# Altium PCB CONTROLLER_BASE.PcbDoc (part 4 of 7)
Units mm, origin at the board's own origin, x right, y up, seen from the top; angles counter-clockwise.
Board outline 258 x 160 mm, 4 copper layers (Top Layer, Internal Plane 1, Internal Plane 2, Bottom Layer); 818 components, 410 nets, 2314 pads, 511 vias.
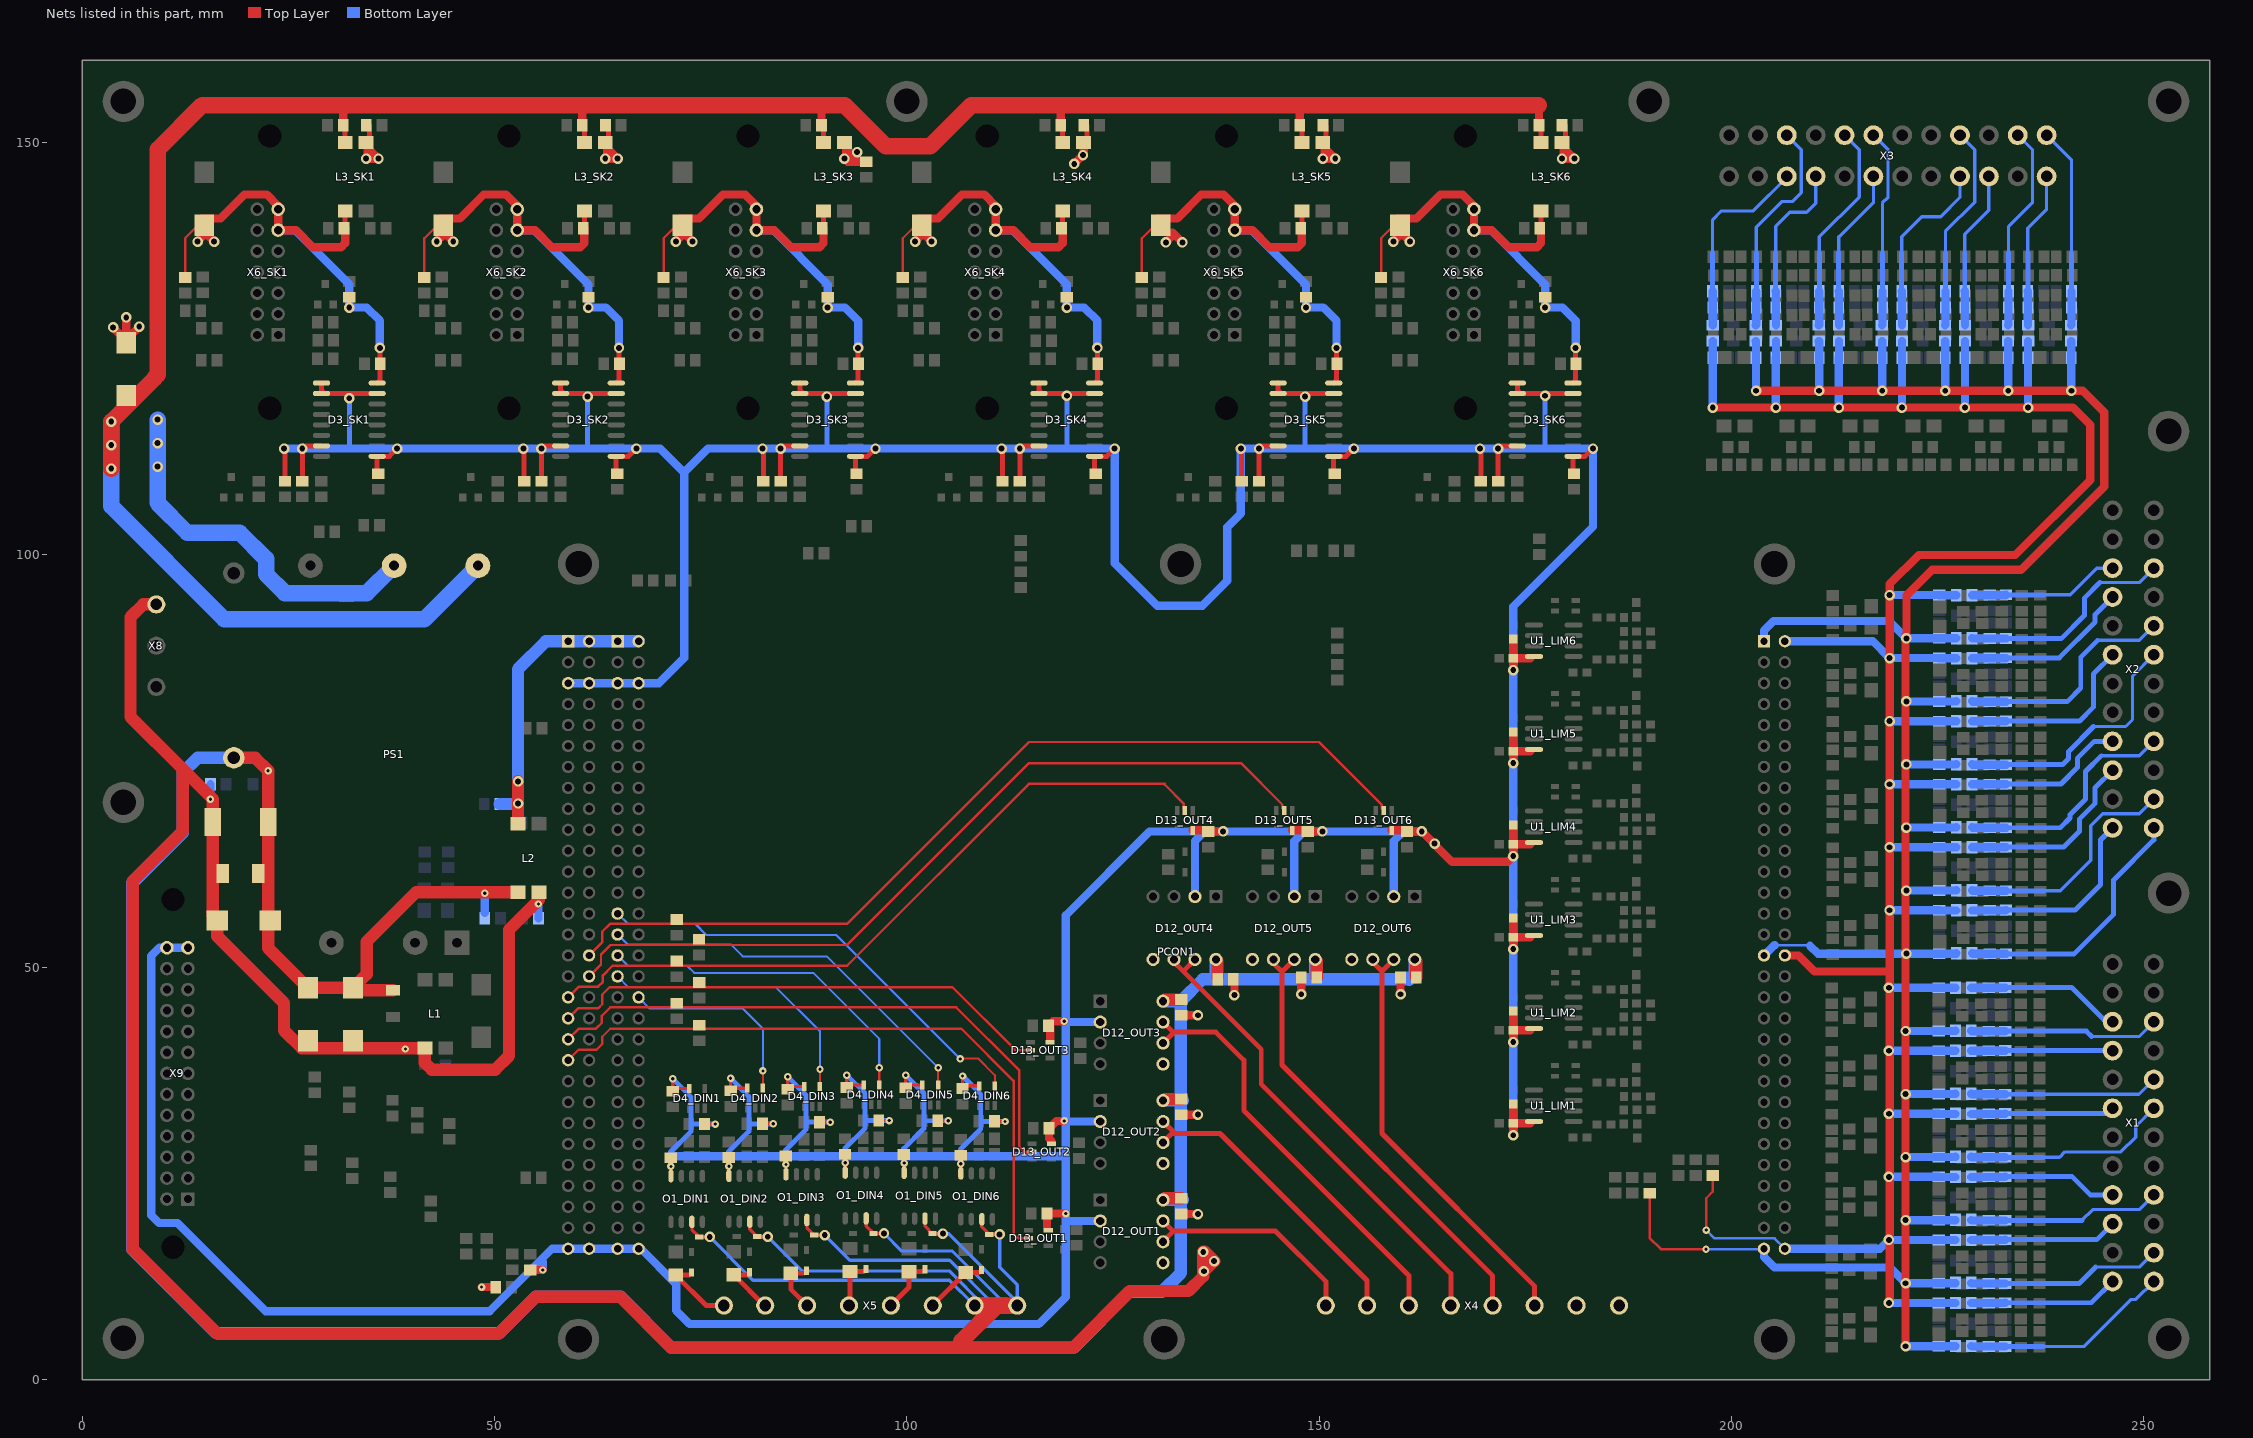
[diagram p6: the nets of this part, all layers, seen from the top]

## Via types
v1: diameter 1.27, hole 0.711, Top Layer to Bottom Layer, tented both sides, 414 vias
v2: diameter 0.9, hole 0.4, Top Layer to Bottom Layer, tented both sides, 95 vias
v3: diameter 0.9, hole 0.5, Top Layer to Bottom Layer, tented both sides, 2 vias

## Nets (pads, with @x,y where several pads share a name; then routed paths per layer and width w, separated by ;. In a path a pad name is that pad's centre, name@x,y a point inside that pad or via, vN(x,y) a via of type N, cw(c..) or ccw(c..) an arc to the next point about the centre after c; other vN are vias at no path point) (continued)
5V_DIN2: D4_DIN2.4 PCON1.P2_36 | length 23.9
  Top Layer w0.254: D4_DIN2.4@82.553,35.345 v2(82.553,37.437)
  Bottom Layer w0.254: PCON1.P2_36@67.47,46.354 68.841,44.983 80.137,44.983 82.553,42.567 v2(82.553,37.437)
5V_DIN3: D4_DIN3.4 PCON1.P2_33 | length 34
  Top Layer w0.254: D4_DIN3.4@89.469,35.541 v2(89.469,37.633)
  Bottom Layer w0.254: PCON1.P2_33@64.93,48.894 66.225,47.6 84.099,47.6 89.469,42.23 v2(89.469,37.633)
5V_DIN4: D4_DIN4.4 PCON1.P2_31 | length 41.5
  Top Layer w0.254: D4_DIN4.4@96.652,35.739 v2(96.652,37.825)
  Bottom Layer w0.254: PCON1.P2_31@64.93,51.434 66.199,50.165 73.381,50.165 74.219,49.327 88.646,49.327 96.652,41.321 v2(96.652,37.825)
5V_DIN5: D4_DIN5.4 PCON1.P2_29 | length 47.7
  Top Layer w0.254: D4_DIN5.4@103.795,35.719 v2(103.795,37.831)
  Bottom Layer w0.254: PCON1.P2_29@64.93,53.974 66.123,52.781 78.638,52.781 80.086,51.333 90.292,51.333 v2(103.795,37.831)
5V_DIN6: D4_DIN6.4 PCON1.P2_27 | length 55.2
  Top Layer w0.254: v2(106.477,38.887) 106.528,38.938 108.65,38.938 110.678,36.911 D4_DIN6.4@110.678,35.632
  Bottom Layer w0.254: PCON1.P2_27@64.93,56.514 66.199,55.245 74.371,55.245 75.692,53.924 91.44,53.924 v2(106.477,38.887)
5V_DOUT1: D13_OUT1.2 PCON1.P1_41 R20.1 | length 79.2
  Top Layer w0.3: PCON1.P1_41@58.93,38.734 60.201,40.005 62.357,40.005 63.068,40.716 63.068,41.58 64.033,42.545 106.629,42.545 112.954,36.22 112.954,17.755 113.538,17.17 D13_OUT1.2@114.751,17.17
5V_DOUT2: D13_OUT2.2 PCON1.P1_39 R19.1 | length 71
  Top Layer w0.3: PCON1.P1_39@58.93,41.274 60.227,42.57 62.306,42.57 63.017,43.282 63.017,44.12 64.033,45.136 105.994,45.136 113.64,37.49 113.64,28.194 114.173,27.661 D13_OUT2.2@115.157,27.661
5V_DOUT3: D13_OUT3.2 PCON1.P1_37 R18.1 | length 61.5
  Top Layer w0.3: PCON1.P1_37@58.93,43.814 60.176,45.06 62.611,45.06 63.068,45.517 63.068,46.685 63.983,47.6 105.512,47.6 113.157,39.954 D13_OUT3.2@114.98,39.954
5V_DOUT4: D13_OUT4.2 PCON1.P1_35 R17.1 | length 87.8
  Top Layer w0.3: PCON1.P1_35@58.93,46.354 60.227,47.65 62.56,47.65 63.144,48.235 63.144,49.022 64.313,50.19 92.761,50.19 114.808,72.238 131.267,72.238 131.267,72.163 133.57,69.86 133.57,69.162 D13_OUT4.2@133.72,69.012
5V_DOUT5: D13_OUT5.2 PCON1.P1_34 R16.1 | length 98.4
  Top Layer w0.3: PCON1.P1_34@61.47,48.894 62.916,50.339 62.916,51.537 64.084,52.705 92.761,52.705 114.808,74.752 140.501,74.752 145.524,69.73 145.524,69.258 D13_OUT5.2@145.77,69.012
5V_DOUT6: D13_OUT6.2 PCON1.P1_32 R15.1 | length 111.5
  Top Layer w0.3: PCON1.P1_32@61.47,51.434 63.043,53.006 63.043,54.305 64.008,55.27 92.761,55.27 114.808,77.318 149.986,77.318 157.574,69.73 157.574,69.258 D13_OUT6.2@157.82,69.012
5VIN_SK1: C24_SK1.2 C24_SK2.2 C24_SK3.2 C24_SK4.2 C24_SK5.2 C24_SK6.2 C28_SK1.2 C28_SK2.2 C28_SK3.2 C28_SK4.2 C28_SK5.2 C28_SK6.2 C40_OUT1.1 C40_OUT2.1 C40_OUT3.1 C40_OUT4.1 C40_OUT5.1 C40_OUT6.1 C42_LIM1.1 C42_LIM2.1 C42_LIM3.1 C42_LIM4.1 C42_LIM5.1 C42_LIM6.1 C47_DIN1.2 C47_DIN2.2 C47_DIN3.2 C47_DIN4.2 C47_DIN5.2 C47_DIN6.2 C49_DIN1.1 C49_DIN2.1 C49_DIN3.1 C49_DIN4.1 C49_DIN5.1 C49_DIN6.1 D3_SK1.1 D3_SK1.2 D3_SK1.7 D3_SK1.9 D3_SK1.15 D3_SK2.1 D3_SK2.2 D3_SK2.7 D3_SK2.9 D3_SK2.15 D3_SK3.1 D3_SK3.2 D3_SK3.7 D3_SK3.9 D3_SK3.15 D3_SK4.1 D3_SK4.2 D3_SK4.7 D3_SK4.9 D3_SK4.15 D3_SK5.1 D3_SK5.2 D3_SK5.7 D3_SK5.9 D3_SK5.15 D3_SK6.1 D3_SK6.2 D3_SK6.7 D3_SK6.9 D3_SK6.15 D4_DIN1.5 D4_DIN2.5 D4_DIN3.5 D4_DIN4.5 D4_DIN5.5 D4_DIN6.5 D12_OUT1.2 D12_OUT2.2 D12_OUT3.2 D12_OUT4.2 D12_OUT5.2 D12_OUT6.2 D13_OUT1.5 D13_OUT2.5 D13_OUT3.5 D13_OUT4.5 D13_OUT5.5 D13_OUT6.5 O1_DIN1.8 O1_DIN2.8 O1_DIN3.8 O1_DIN4.8 O1_DIN5.8 O1_DIN6.8 PCON1.P1_5 PCON1.P1_6 PCON1.P1_59 PCON1.P1_60 PCON1.P2_5 PCON1.P2_6 PCON1.P2_59 PCON1.P2_60 R37_SK1.1 R37_SK2.1 R37_SK3.1 R37_SK4.1 R37_SK5.1 R37_SK6.1 R48_LIM1.1 R48_LIM2.1 R48_LIM3.1 R48_LIM4.1 R48_LIM5.1 R48_LIM6.1 R57_DIN1.1 R57_DIN2.1 R57_DIN3.1 R57_DIN4.1 R57_DIN5.1 R57_DIN6.1 R59.2 R66.2 U1_LIM1.8 U1_LIM2.8 U1_LIM3.8 U1_LIM4.8 U1_LIM5.8 U1_LIM6.8 X9.25 X9.26 | length 1042.1
  Top Layer w0.4: O1_DIN1.8@71.399,24.682 v2(71.399,25.857) C49_DIN1.1@71.399,26.868 ; C47_DIN1.2@71.603,34.986 v2(71.603,36.5) ; C47_DIN1.2@71.929,35.312 D4_DIN1.5@73.624,35.312 ; R57_DIN1.1@75.474,30.993 75.479,30.988 v2(76.759,30.988) ; O1_DIN2.8@78.428,24.714 v2(78.428,25.89) C49_DIN2.1@78.428,26.901 ; C47_DIN2.2@78.631,35.019 v2(78.631,36.532) ; C47_DIN2.2@78.957,35.345 D4_DIN2.5@80.653,35.345 ; R57_DIN2.1@82.502,31.026 82.508,31.021 v2(83.787,31.021) ; O1_DIN3.8@85.344,24.91 v2(85.344,26.086) C49_DIN3.1@85.344,27.097 ; C47_DIN3.2@85.547,35.215 v2(85.547,36.728) ; C47_DIN3.2@85.873,35.541 D4_DIN3.5@87.569,35.541 ; R57_DIN3.1@89.418,31.222 89.424,31.217 v2(90.703,31.217) ; O1_DIN4.8@92.527,25.108 v2(92.527,26.284) C49_DIN4.1@92.527,27.295 ; C47_DIN4.2@92.73,35.412 v2(92.73,36.926) ; C47_DIN4.2@93.056,35.739 D4_DIN4.5@94.752,35.739 ; R57_DIN4.1@96.601,31.42 96.606,31.414 v2(97.886,31.414) ; O1_DIN5.8@99.67,25.088 v2(99.67,26.264) C49_DIN5.1@99.67,27.275 ; C47_DIN5.2@99.873,35.392 v2(99.873,36.906) ; C47_DIN5.2@100.199,35.719 D4_DIN5.5@101.895,35.719 ; R57_DIN5.1@103.744,31.4 103.749,31.394 v2(105.029,31.394) ; O1_DIN6.8@106.553,25.001 v2(106.553,26.177) C49_DIN6.1@106.553,27.188 ; C47_DIN6.2@106.756,35.305 v2(106.756,36.819) ; C47_DIN6.2@107.082,35.632 D4_DIN6.5@108.778,35.632 ; R57_DIN6.1@110.627,31.313 110.633,31.307 v2(111.912,31.307)
  Top Layer w0.6: R37_SK1.1@24.6,108.95 v1@24.6,112.8 ; C24_SK1.2@26.7,108.95 v1(26.7,112.9) ; v1@26.7,113.225 D3_SK1.7@29.025,113.225 ; D3_SK1.2@29.025,119.575 29.025,120 ; D3_SK1.1@29.025,120.845 29.025,120 ; D3_SK1.2@29.238,119.788 29.025,120 ; D3_SK1.2@29.45,119.575 D3_SK1.15@35.775,119.575 ; C28_SK1.2@35.75,109.5 D3_SK1.9@35.75,111.93 ; D3_SK1.9@35.775,111.955 37.255,111.955 v1(38.2,112.9) ; R37_SK2.1@53.6,108.95 v1@53.6,112.8 ; C24_SK2.2@55.7,108.95 v1(55.7,112.9) ; v1@55.7,113.225 D3_SK2.7@58.025,113.225 ; D3_SK2.2@58.025,119.575 58.025,120 ; D3_SK2.1@58.025,120.845 58.025,120 ; D3_SK2.2@58.238,119.788 58.025,120 ; D3_SK2.2@58.45,119.575 D3_SK2.15@64.775,119.575 ; C28_SK2.2@64.75,109.5 D3_SK2.9@64.75,111.93 ; D3_SK2.9@64.775,111.955 66.255,111.955 v1(67.2,112.9) ; R37_SK3.1@82.6,108.95 v1@82.6,112.8 ; C24_SK3.2@84.7,108.95 v1(84.7,112.9) ; v1@84.7,113.225 D3_SK3.7@87.025,113.225 ; D3_SK3.2@87.025,119.575 87.025,120 ; D3_SK3.1@87.025,120.845 87.025,120 ; D3_SK3.2@87.238,119.788 87.025,120 ; D3_SK3.2@87.45,119.575 D3_SK3.15@93.775,119.575 ; C28_SK3.2@93.75,109.5 D3_SK3.9@93.75,111.93 ; D3_SK3.9@93.775,111.955 95.255,111.955 v1(96.2,112.9) ; R37_SK4.1@111.6,108.95 v1@111.6,112.8 ; C24_SK4.2@113.7,108.95 v1(113.7,112.9) ; v1@113.7,113.225 D3_SK4.7@116.025,113.225 ; D3_SK4.2@116.025,119.575 116.025,120 ; D3_SK4.1@116.025,120.845 116.025,120 ; D3_SK4.2@116.238,119.788 116.025,120 ; D3_SK4.2@116.45,119.575 D3_SK4.15@122.775,119.575 ; C28_SK4.2@122.75,109.5 D3_SK4.9@122.75,111.93 ; D3_SK4.9@122.775,111.955 124.255,111.955 v1(125.2,112.9) ; R37_SK5.1@140.6,108.95 v1@140.6,112.8 ; C24_SK5.2@142.7,108.95 v1(142.7,112.9) ; v1@142.7,113.225 D3_SK5.7@145.025,113.225 ; D3_SK5.2@145.025,119.575 145.025,120 ; D3_SK5.1@145.025,120.845 145.025,120 ; D3_SK5.2@145.238,119.788 145.025,120 ; D3_SK5.2@145.45,119.575 D3_SK5.15@151.775,119.575 ; C28_SK5.2@151.75,109.5 D3_SK5.9@151.75,111.93 ; D3_SK5.9@151.775,111.955 153.255,111.955 v1(154.2,112.9) ; R37_SK6.1@169.6,108.95 v1@169.6,112.8 ; C24_SK6.2@171.7,108.95 v1(171.7,112.9) ; v1@171.7,113.225 D3_SK6.7@174.025,113.225 ; D3_SK6.2@174.025,119.575 174.025,120 ; D3_SK6.1@174.025,120.845 174.025,120 ; D3_SK6.2@174.238,119.788 174.025,120 ; D3_SK6.2@174.45,119.575 D3_SK6.15@180.775,119.575 ; C28_SK6.2@180.75,109.5 D3_SK6.9@180.75,111.93 ; D3_SK6.9@180.775,111.955 182.255,111.955 v1(183.2,112.9)
  Top Layer w1: v2(48.438,11.227) R66.2@50.155,11.227 ; R59.2@54.331,13.299 v2(55.844,13.299) ; 117.003,18.552 C40_OUT1.1@117.003,20.142 v2(119.278,20.142) ; 117.399,41.326 117.399,42.708 C40_OUT3.1@117.18,42.926 117.714,43.459 v2(119.075,43.459) ; 117.5,28.981 117.231,29.251 C40_OUT2.1@117.231,30.48 118.12,31.369 v2(119.101,31.369) ; D13_OUT4.5@134.67,66.612 C40_OUT4.1@136.52,66.612 ; C40_OUT4.1@136.551,66.472 v1(138.339,66.472) ; D13_OUT5.5@146.72,66.612 C40_OUT5.1@148.57,66.612 ; C40_OUT5.1@148.601,66.472 v1(150.389,66.472) ; D13_OUT6.5@158.77,66.612 C40_OUT6.1@160.62,66.612 ; C40_OUT6.1@160.651,66.472 v1(162.439,66.472) 166.122,62.789 172.843,62.789 v1(173.531,63.476) C42_LIM4.1@173.531,64.911 ; v1(173.531,29.644) C42_LIM1.1@173.531,31.078 ; R48_LIM1.1@173.531,33.391 C42_LIM1.1@173.531,31.078 ; v1(173.531,40.921) C42_LIM2.1@173.531,42.355 ; R48_LIM2.1@173.531,44.669 C42_LIM2.1@173.531,42.355 ; v1(173.531,52.199) C42_LIM3.1@173.531,53.633 ; R48_LIM3.1@173.531,55.946 C42_LIM3.1@173.531,53.633 ; R48_LIM4.1@173.531,67.224 C42_LIM4.1@173.531,64.911 ; v1(173.531,74.754) C42_LIM5.1@173.531,76.188 ; R48_LIM5.1@173.531,78.501 C42_LIM5.1@173.531,76.188 ; v1(173.531,86.032) C42_LIM6.1@173.531,87.466 ; R48_LIM6.1@173.531,89.779 C42_LIM6.1@173.531,87.466 ; U1_LIM1.8@175.602,31.078 C42_LIM1.1@173.531,31.078 ; U1_LIM2.8@175.602,42.355 C42_LIM2.1@173.531,42.355 ; U1_LIM3.8@175.602,53.633 C42_LIM3.1@173.531,53.633 ; U1_LIM4.8@175.602,64.911 C42_LIM4.1@173.531,64.911 ; U1_LIM5.8@175.602,76.188 C42_LIM5.1@173.531,76.188 ; U1_LIM6.8@175.602,87.466 C42_LIM6.1@173.531,87.466
  Bottom Layer w0.6: 32.4,113.1 v1(32.4,119) ; 61.3,113.3 v1(61.3,119.2) ; v2@71.349,25.908 71.349,27.61 73.812,30.074 73.812,30.988 ; v2(71.603,36.5) 73.812,34.29 73.812,30.988 ; v2(76.759,30.988) 73.812,30.988 ; v2@78.377,25.941 78.377,27.076 78.377,27.642 80.841,30.106 80.841,31.021 ; v2(78.631,36.532) 80.841,34.323 80.841,31.021 ; v2(83.787,31.021) 80.841,31.021 ; v2@85.293,26.137 85.293,27.076 85.293,27.838 87.757,30.302 87.757,31.217 ; v2(85.547,36.728) 87.757,34.519 87.757,31.217 ; 90.3,113.3 v1(90.3,119.2) ; v2(90.703,31.217) 87.757,31.217 ; v2@92.476,26.334 92.476,27.076 92.476,28.036 94.94,30.5 94.94,31.414 ; v2(92.73,36.926) 94.94,34.716 94.94,31.414 ; v2(97.886,31.414) 94.94,31.414 ; v2@99.619,26.314 99.619,27.076 99.619,28.016 102.083,30.48 102.083,31.394 ; v2(99.873,36.906) 102.083,34.696 102.083,31.394 ; v2(105.029,31.394) 102.083,31.394 ; v2@106.502,26.227 106.502,27.076 106.502,27.929 108.966,30.393 108.966,31.307 ; v2(106.756,36.819) 108.966,34.609 108.966,31.307 ; v2(111.912,31.307) 108.966,31.307 ; 119.4,113.4 v1(119.4,119.3) ; 148.3,113.3 v1(148.3,119.2) ; 177.4,113.4 v1(177.4,119.3)
  Bottom Layer w1: X9.25@12.827,52.375 X9.26@10.287,52.375 9.398,52.375 8.382,51.359 8.382,19.939 9.322,18.999 11.557,18.999 22.25,8.306 49.428,8.306 56.997,15.874 PCON1.P1_59@58.93,15.874 PCON1.P1_60@61.47,15.874 PCON1.P2_59@64.93,15.874 PCON1.P2_60@67.47,15.874 67.743,15.874 72.034,11.582 72.034,8.382 73.66,6.756 116.002,6.756 119.278,10.033 v2(119.278,20.142) 119.278,27.076 ; v1(24.5,112.9) v1(38.2,112.9) v1(53.5,112.9) v1(67.2,112.9) 70.1,112.9 73,110 ; v2(55.844,13.299) 55.844,14.26 ; PCON1.P1_5@58.93,84.454 PCON1.P1_6@61.47,84.454 PCON1.P2_5@64.93,84.454 PCON1.P2_6@67.47,84.454 69.954,84.454 73,87.5 73,110 ; 71.425,27.076 78.377,27.076 85.293,27.076 92.476,27.076 99.619,27.076 106.502,27.076 119.278,27.076 ; v2@119.299,43.353 D12_OUT3.2@123.444,43.353 ; v2@119.344,31.303 D12_OUT2.2@123.444,31.303 ; 119.355,19.253 D12_OUT1.2@123.444,19.253 ; D12_OUT4.2@134.94,58.572 134.94,65.309 136.104,66.472 ; D12_OUT5.2@146.99,58.572 146.99,65.309 148.154,66.472 ; D12_OUT6.2@159.04,58.572 159.04,65.309 160.204,66.472 ; v1(162.439,66.472) 160.204,66.472 ; v1(173.531,29.644) v1(173.531,40.921) v1(173.531,52.199) v1(173.531,63.476) v1(173.531,74.754) v1(173.531,86.032) 173.531,93.75 183.2,103.419 v1(183.2,112.9) v1(171.7,112.9) v1(142.7,112.9) v1(140.5,112.9) 140.5,105.016 138.862,103.378 138.862,96.876 135.839,93.853 130.353,93.853 125.2,99.006 v1(125.2,112.9) v1(113.7,112.9) v1(84.7,112.9) 75.9,112.9 73,110 ; 119.278,27.076 119.278,56.312 129.439,66.472 136.104,66.472 ; 136.104,66.472 v1(138.339,66.472) 148.154,66.472 ; 148.154,66.472 v1(150.389,66.472) 160.204,66.472
  other v1: 164,65 82.5,112.9 111.5,112.9 169.5,112.9
15V_DGND: C5.2 C11.1 C22_SK1.1 C22_SK2.1 C22_SK3.1 C22_SK4.1 C22_SK5.1 C22_SK6.1 L3_SK1.2 L3_SK2.2 L3_SK3.2 L3_SK4.2 L3_SK5.2 L3_SK6.2 PS1.5 | length 93.6
  Top Layer w0.6: v1(34.44,148.06) L3_SK1.2@34.44,150 ; L3_SK1.2@34.85,150.41 C22_SK1.1@34.85,152.1 ; v1(63.44,148.06) L3_SK2.2@63.44,150 ; L3_SK2.2@63.85,150.41 C22_SK2.1@63.85,152.1 ; v1(92.44,148.06) L3_SK3.2@92.44,150 ; v1(121.361,148.488) 121.361,149.801 121.44,149.88 121.5,149.94 L3_SK4.2@121.44,150 ; L3_SK4.2@121.85,150.41 C22_SK4.1@121.85,152.1 ; v1(150.44,148.06) L3_SK5.2@150.44,150 ; L3_SK5.2@150.85,150.41 C22_SK5.1@150.85,152.1 ; v1(179.44,148.06) L3_SK6.2@179.44,150 ; L3_SK6.2@179.85,150.41 C22_SK6.1@179.85,152.1
  Top Layer w1: v1(3.759,127.584) C5.2@5.359,125.984 ; C5.2@5.359,125.73 C5.2@5.359,125.984 ; v1(5.359,128.803) C5.2@5.359,126.111 ; v1(6.934,127.686) C5.2@5.359,126.111 ; v1(34.44,148.06) 34.5,148 36,148 35,149 ; v1@63.5,148 65,148 64,149 ; v1(92.44,148.06) 92.814,147.686 C22_SK3.1@95.072,147.686 ; v1@92.5,148 94,148 93,149 ; v1(120.294,147.422) v1(121.361,148.488) 121.44,148.567 121.44,149.88 L3_SK4.2@121.44,150 ; v1@150.5,148 152,148 151,149 ; v1@179.5,148 181,148 180,149 ; C5.2@5.359,125.984 C5.2@5.359,126.111
  Bottom Layer w2: v1(9.144,116.408) 9.144,106.299 12.751,102.692 19.126,102.692 22.301,99.517 22.301,97.663 24.587,95.377 34.517,95.377 PS1.5@37.84,98.7
  other v1: 9.144,110.708 9.144,113.558 35.94,148.06 64.94,148.06 151.94,148.06 180.94,148.06 93.98,148.844
15VIN_SK1: C5.1 C11.2 C20_SK1.2 C20_SK2.2 C20_SK3.2 C20_SK4.2 C20_SK5.2 C20_SK6.2 L3_SK1.1 L3_SK2.1 L3_SK3.1 L3_SK4.1 L3_SK5.1 L3_SK6.1 PS1.4 | length 337.5
  Top Layer w0.6: L3_SK1.1@31.9,150 C20_SK1.2@31.9,151.85 ; L3_SK2.1@60.9,150 C20_SK2.2@60.9,151.85 ; L3_SK3.1@89.9,150 C20_SK3.2@89.9,151.85 ; L3_SK4.1@118.9,150 C20_SK4.2@118.9,151.85 ; L3_SK5.1@147.9,150 C20_SK5.2@147.9,151.85 ; L3_SK6.1@176.9,150 C20_SK6.2@176.9,151.85
  Top Layer w1: C20_SK1.2@31.65,152.1 31.65,154.55 ; C20_SK2.2@60.65,152.1 60.65,154.55 ; C20_SK3.2@89.65,152.1 89.65,154.55 ; C20_SK4.2@118.65,152.1 118.65,154.55 ; C20_SK5.2@147.65,152.1 147.65,154.55 ; C20_SK6.2@176.65,152.1 176.65,154.55
  Top Layer w2: v1(3.531,110.459) v1(3.531,113.309) v1(3.531,116.159) 8.8,121.429 8.8,121.5 ; 9.2,121.844 9.2,149.2 14.55,154.55 31.65,154.55 60.65,154.55 ; 43.55,154.55 60.65,154.55 ; 159.55,154.55 176.65,154.55 147.65,154.55 118.65,154.55 107.839,154.55 102.819,149.53 97.47,149.53 92.45,154.55 89.65,154.55 60.65,154.55
  Bottom Layer w2: v1(3.531,116.159) v1(3.531,113.309) v1(3.531,110.459) 3.531,105.918 17.247,92.202 41.502,92.202 PS1.4@48,98.7
15VS_SK1: C19_SK1.1 C21_SK1.2 C25_SK1.2 D3_SK1.16 L3_SK1.4 R32_SK1.2 R33_SK1.2 X6_SK1.11 X6_SK1.13 | length 66.8
  Top Layer w0.3: R33_SK1.2@12.5,133.65 12.5,138.4 C19_SK1.1@14.791,140.691 ; v1(32.4,130) R32_SK1.2@32.4,131.25
  Top Layer w0.6: C21_SK1.2@31.9,139.75 L3_SK1.4@31.9,141.7 ; D3_SK1.16@35.775,120.845 36.1,121.17 v1(36.1,125.1)
  Top Layer w1: v1(14,138) 14.8,138.8 C19_SK1.1@14.8,139.2 ; C19_SK1.1@14.4,140.8 16.8,140.8 19.7,143.7 22.4,143.7 23.77,142.33 X6_SK1.13@23.77,141.92 X6_SK1.11@23.77,139.38 25.92,139.38 28,137.3 31.4,137.3 31.9,137.8 C21_SK1.2@31.9,139.75 ; C19_SK1.1@14.8,140 C19_SK1.1@14.8,139.2 ; v1(16,138) C19_SK1.1@14.8,139.2
  Bottom Layer w0.3: X6_SK1.11@23.77,139.23 X6_SK1.11@23.77,139.38
  Bottom Layer w1: X6_SK1.11@23.77,139.38 25.82,139.38 32.4,132.8 v1(32.4,130) 34.5,130 36.1,128.4 v1(36.1,125.1)
15VS_SK2: C19_SK2.1 C21_SK2.2 C25_SK2.2 D3_SK2.16 L3_SK2.4 R32_SK2.2 R33_SK2.2 X6_SK2.11 X6_SK2.13 | length 65.6
  Top Layer w0.3: R33_SK2.2@41.5,133.65 41.5,138.4 C19_SK2.1@43.791,140.691 ; v1(61.4,130) R32_SK2.2@61.4,131.25
  Top Layer w0.6: C21_SK2.2@60.9,139.75 L3_SK2.4@60.9,141.7 ; D3_SK2.16@64.775,120.845 65.1,121.17 v1(65.1,125.1)
  Top Layer w1: v1(43,138) C19_SK2.1@43.8,138.8 ; C19_SK2.1@43.4,140.8 45.8,140.8 48.7,143.7 51.4,143.7 52.77,142.33 X6_SK2.13@52.77,141.92 X6_SK2.11@52.77,139.38 54.92,139.38 57,137.3 60.4,137.3 60.9,137.8 C21_SK2.2@60.9,139.75 ; C19_SK2.1@43.8,139.2 v1(45,138)
  Bottom Layer w0.3: X6_SK2.11@52.77,139.23 X6_SK2.11@52.77,139.38
  Bottom Layer w1: X6_SK2.11@52.77,139.38 54.82,139.38 61.4,132.8 v1(61.4,130) 63.5,130 65.1,128.4 v1(65.1,125.1)
15VS_SK3: C19_SK3.1 C21_SK3.2 C25_SK3.2 D3_SK3.16 L3_SK3.4 R32_SK3.2 R33_SK3.2 X6_SK3.11 X6_SK3.13 | length 65.6
  Top Layer w0.3: R33_SK3.2@70.5,133.65 70.5,138.4 C19_SK3.1@72.791,140.691 ; v1(90.4,130) R32_SK3.2@90.4,131.25
  Top Layer w0.6: C21_SK3.2@89.9,139.75 L3_SK3.4@89.9,141.7 ; D3_SK3.16@93.775,120.845 94.1,121.17 v1(94.1,125.1)
  Top Layer w1: v1(72,138) C19_SK3.1@72.8,138.8 ; C19_SK3.1@72.4,140.8 74.8,140.8 77.7,143.7 80.4,143.7 81.77,142.33 X6_SK3.13@81.77,141.92 X6_SK3.11@81.77,139.38 83.92,139.38 86,137.3 89.4,137.3 89.9,137.8 C21_SK3.2@89.9,139.75 ; C19_SK3.1@72.8,139.2 v1(74,138)
  Bottom Layer w0.3: X6_SK3.11@81.77,139.23 X6_SK3.11@81.77,139.38
  Bottom Layer w1: X6_SK3.11@81.77,139.38 83.82,139.38 90.4,132.8 v1(90.4,130) 92.5,130 94.1,128.4 v1(94.1,125.1)
15VS_SK4: C19_SK4.1 C21_SK4.2 C25_SK4.2 D3_SK4.16 L3_SK4.4 R32_SK4.2 R33_SK4.2 X6_SK4.11 X6_SK4.13 | length 65.6
  Top Layer w0.3: R33_SK4.2@99.5,133.65 99.5,138.4 C19_SK4.1@101.791,140.691 ; v1(119.4,130) R32_SK4.2@119.4,131.25
  Top Layer w0.6: C21_SK4.2@118.9,139.75 L3_SK4.4@118.9,141.7 ; D3_SK4.16@122.775,120.845 123.1,121.17 v1(123.1,125.1)
  Top Layer w1: v1(101,138) C19_SK4.1@101.8,138.8 ; C19_SK4.1@101.4,140.8 103.8,140.8 106.7,143.7 109.4,143.7 110.77,142.33 X6_SK4.13@110.77,141.92 X6_SK4.11@110.77,139.38 112.92,139.38 115,137.3 118.4,137.3 118.9,137.8 C21_SK4.2@118.9,139.75 ; C19_SK4.1@101.8,139.2 v1(103,138)
  Bottom Layer w0.3: X6_SK4.11@110.77,139.23 X6_SK4.11@110.77,139.38
  Bottom Layer w1: X6_SK4.11@110.77,139.38 112.82,139.38 119.4,132.8 v1(119.4,130) 121.5,130 123.1,128.4 v1(123.1,125.1)
15VS_SK5: C19_SK5.1 C21_SK5.2 C25_SK5.2 D3_SK5.16 L3_SK5.4 R32_SK5.2 R33_SK5.2 X6_SK5.11 X6_SK5.13 | length 65.6
  Top Layer w0.3: R33_SK5.2@128.5,133.65 128.5,138.4 C19_SK5.1@130.791,140.691 ; v1(148.4,130) R32_SK5.2@148.4,131.25